# Altium PCB AMC_Single_Panel.PcbDoc (part 1 of 5)
Units mm, origin at the board's own origin, x right, y up, seen from the top; angles counter-clockwise.
Board outline 67.1 x 200.1 mm, 4 copper layers (TOP, GND, PWR, BTM), stack 1.618 mm thick; 416 components, 275 nets, 1519 pads, 733 vias.
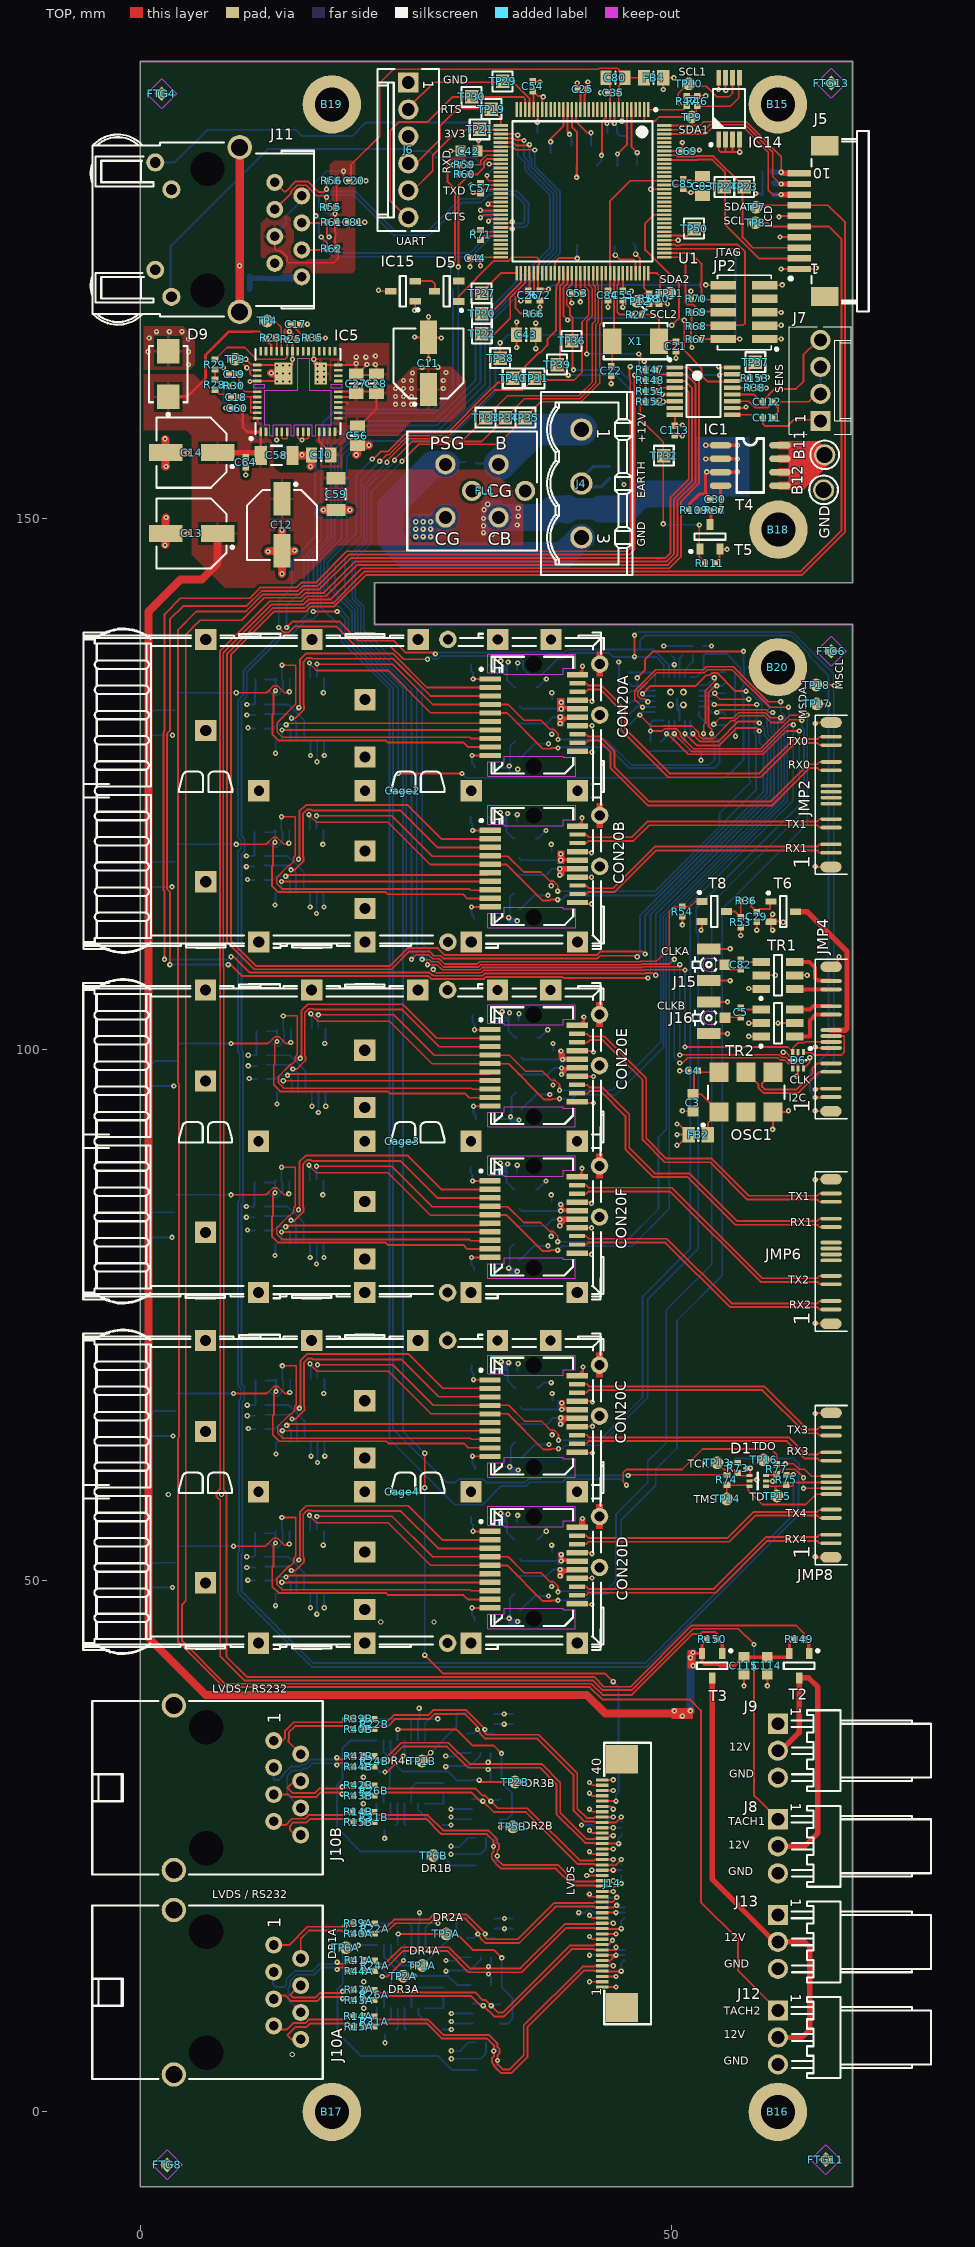
[diagram p0: TOP view]
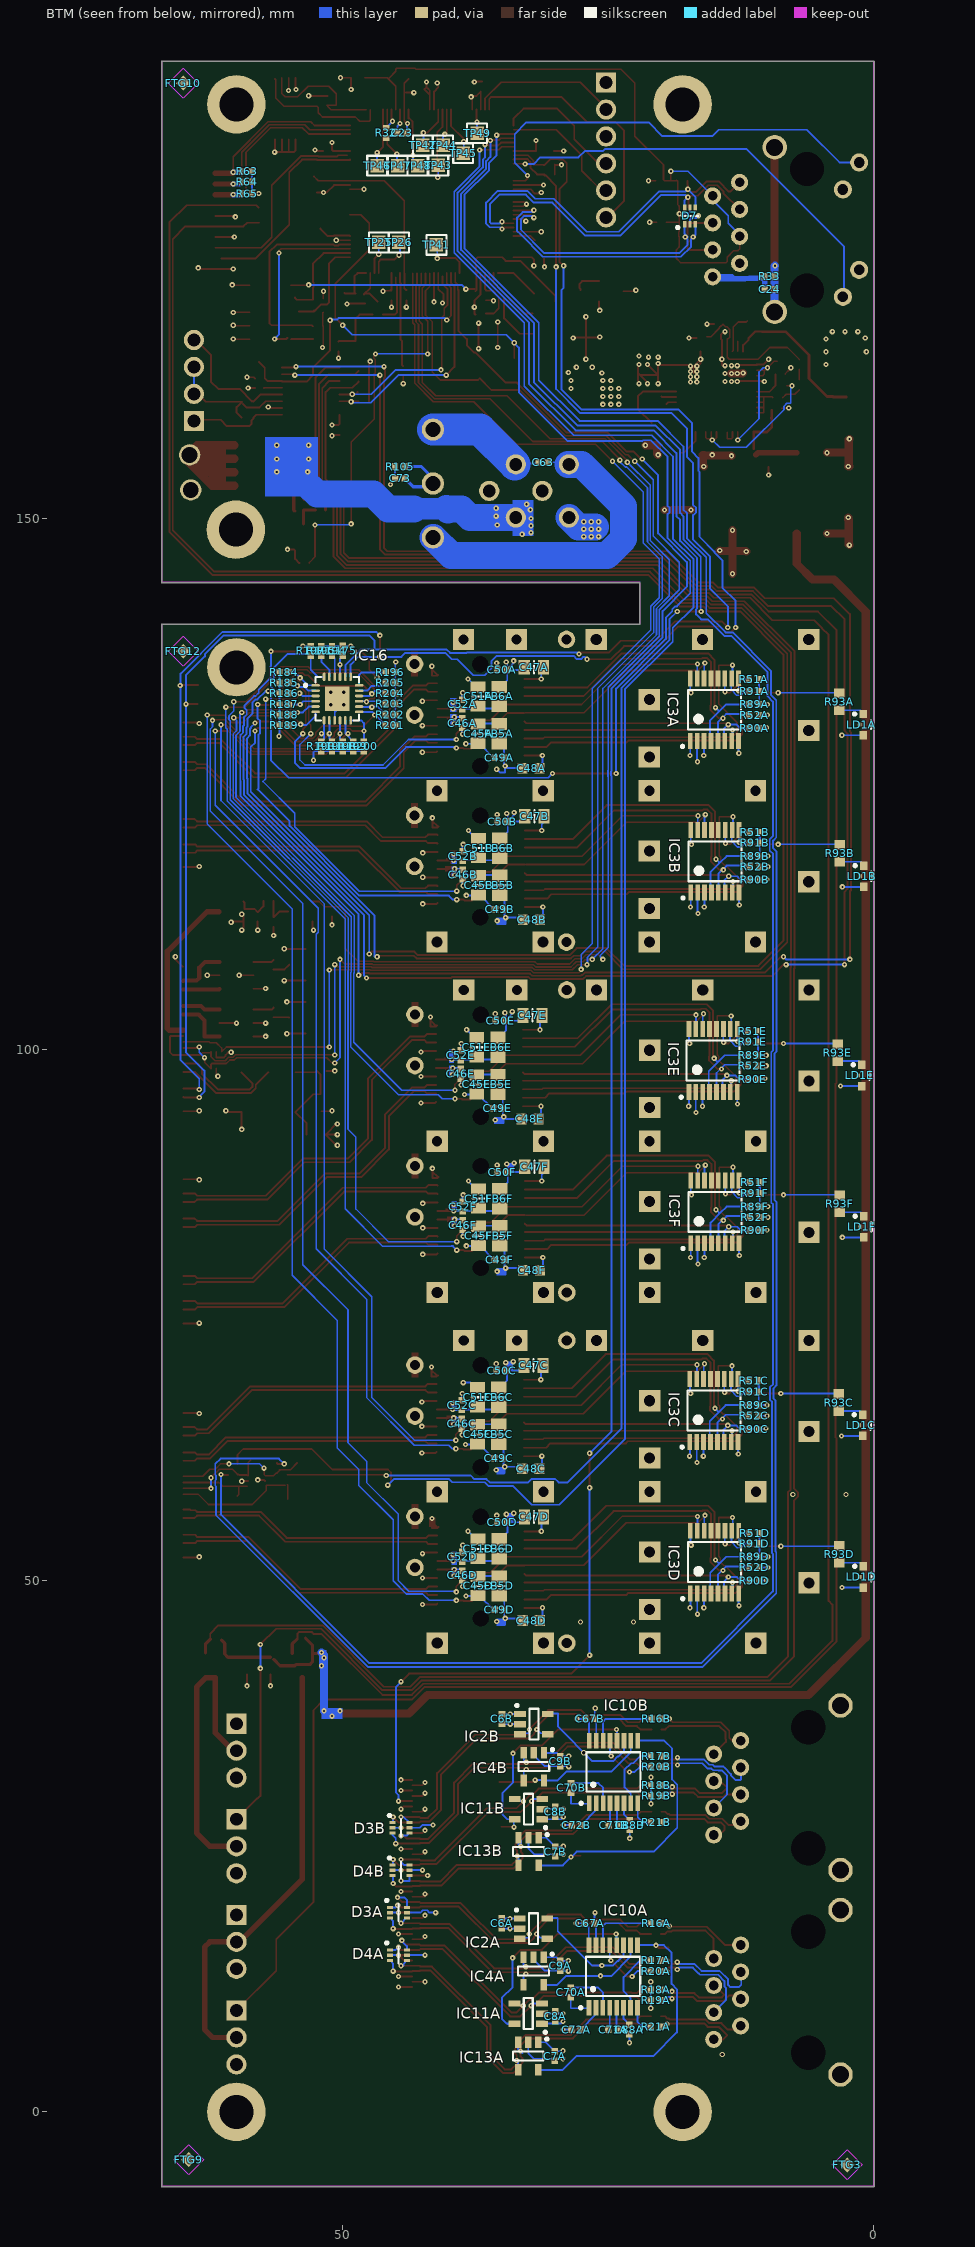
[diagram p1: BTM view, seen from below]
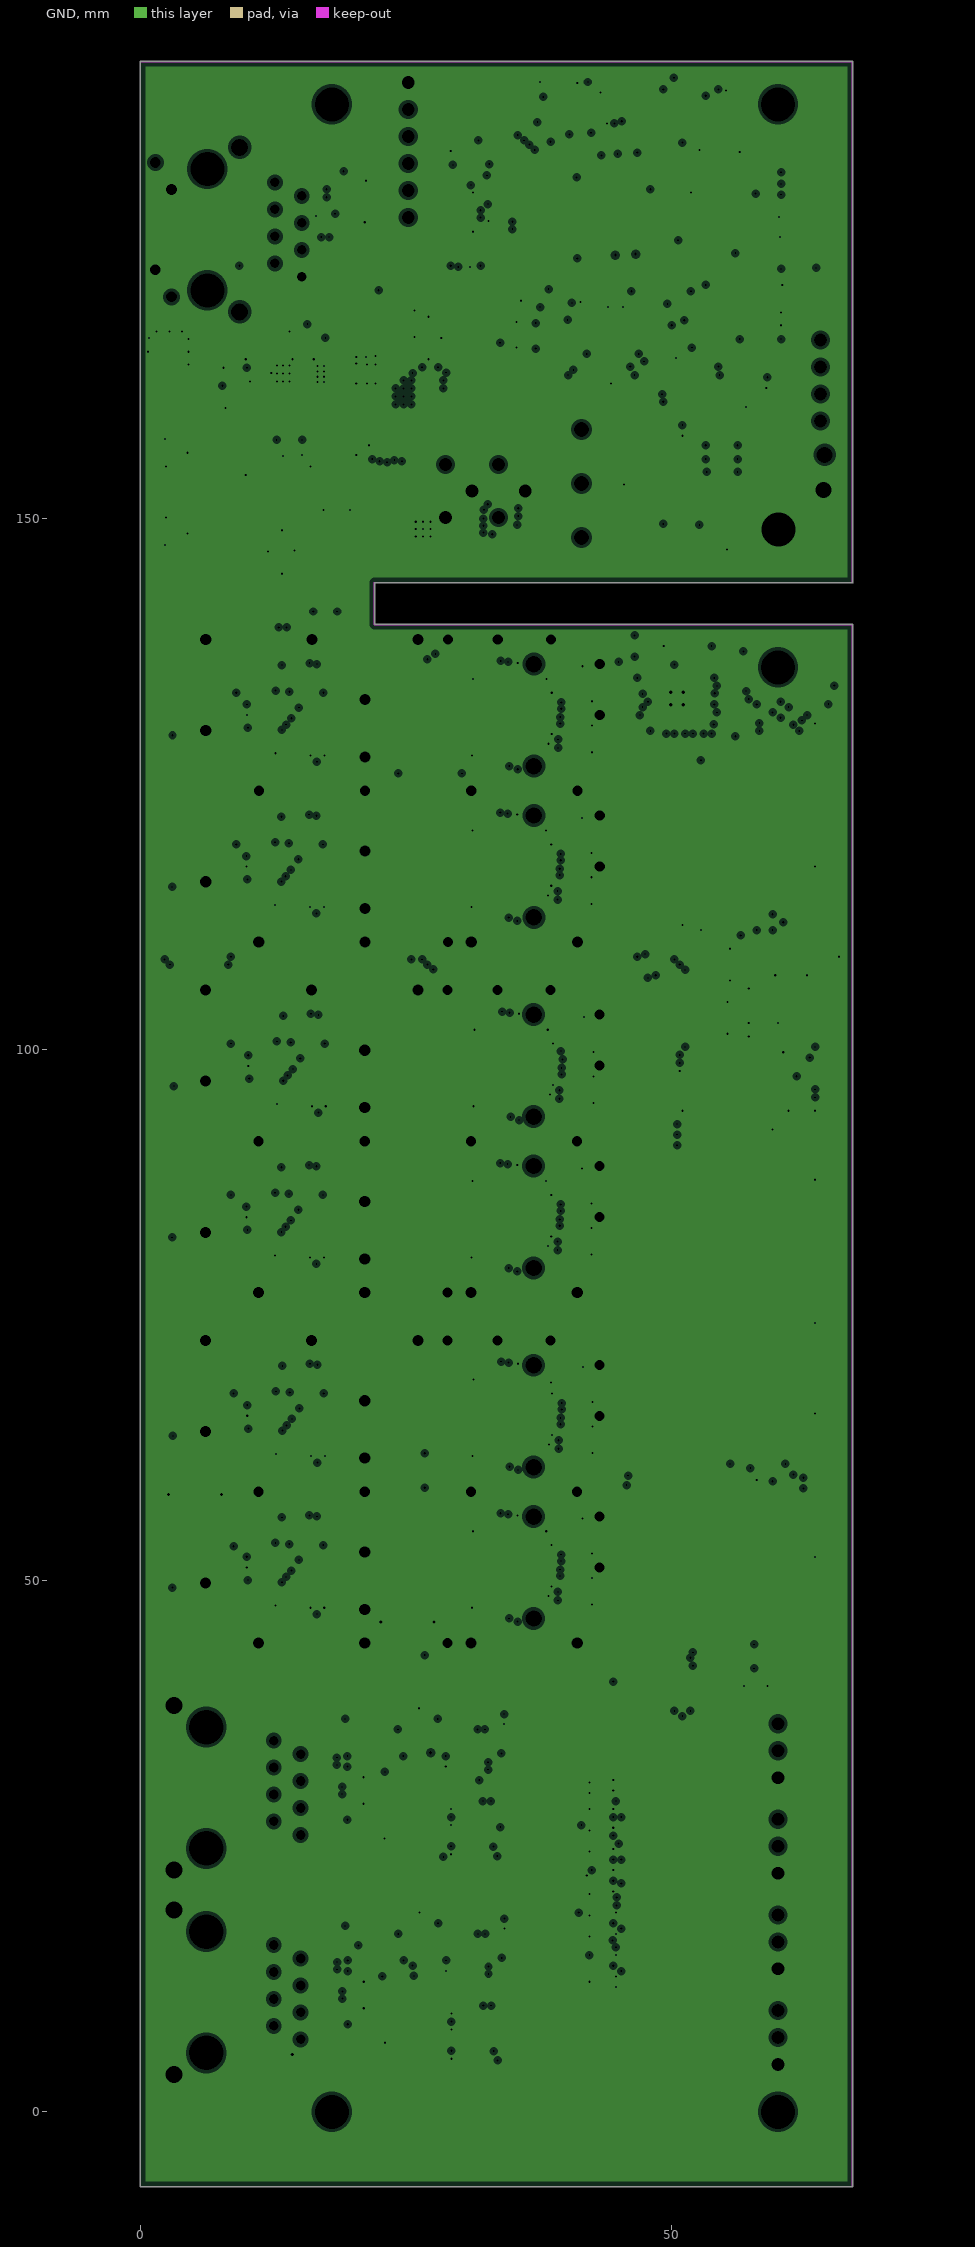
[diagram p2: GND, clearances drawn from the general rule]
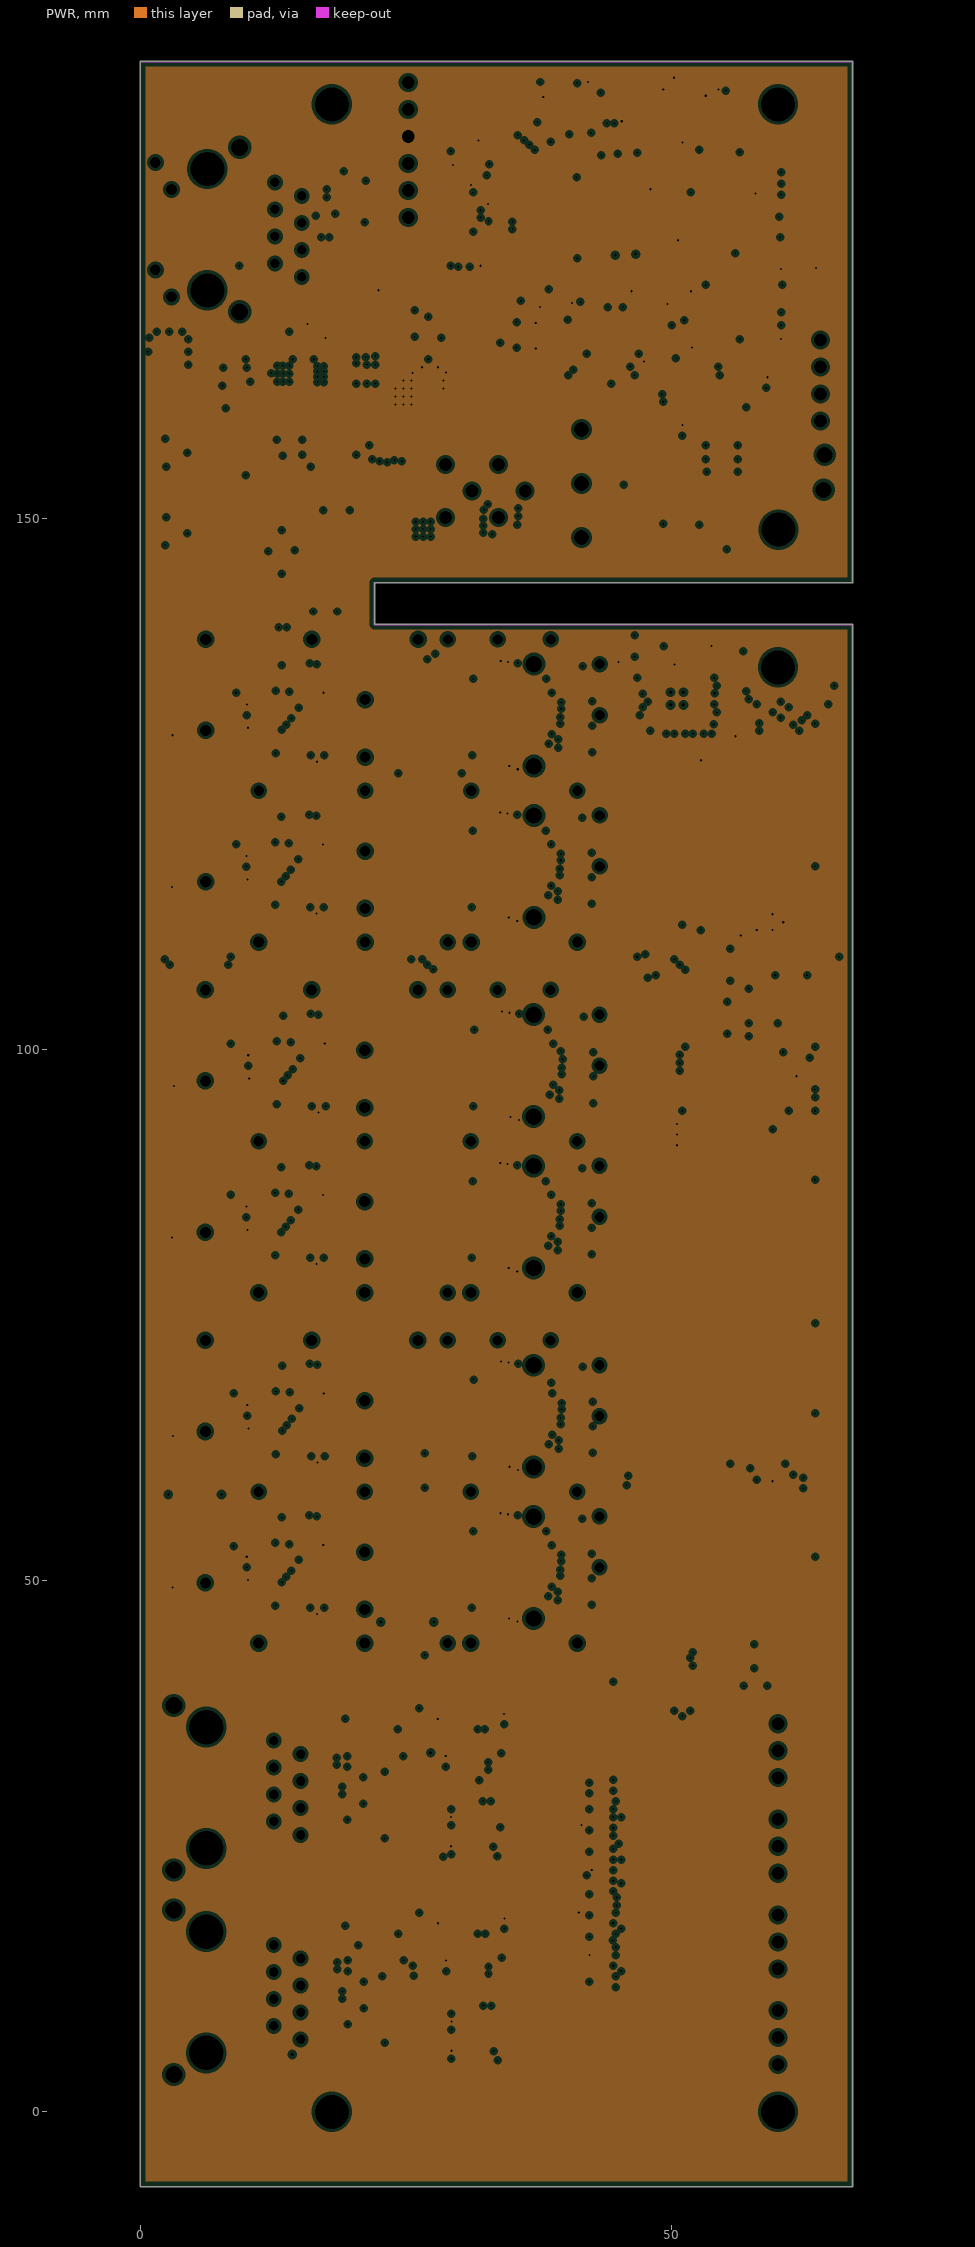
[diagram p3: PWR, clearances drawn from the general rule]
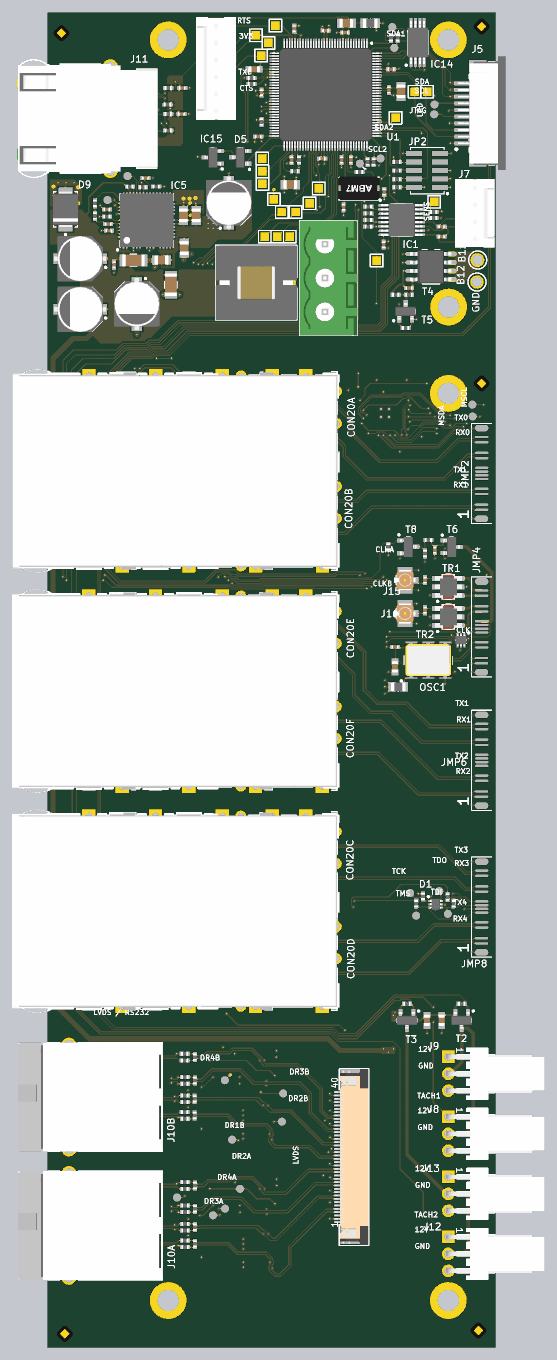
[diagram p8: 3D render of the assembled board from above, using the file's embedded part models]
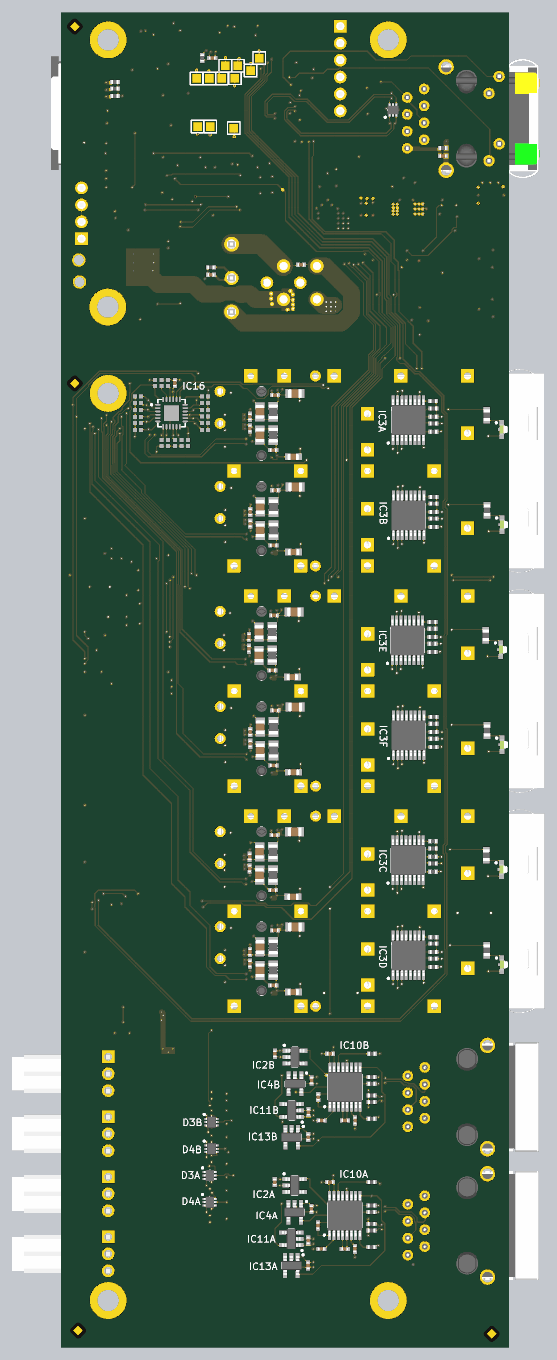
[diagram p9: 3D render of the assembled board from below, using the file's embedded part models]

## Layer stack, top to bottom
Top Solder: solder mask 0.012, Solder Resist, Dk 3.5
TOP: signal copper 0.053
Dielectric1: core 0.18, FR4 IT180-A / S1000-2 0.135mm 18u/18u, Dk 4.5
GND: plane copper 0.036, net GND
Dielectric2: prepreg 1.08, FR-4, Dk 4.5
PWR: plane copper 0.036, net P3V3
Dielectric3: core 0.18, FR4 IT180-A / S1000-2 0.135mm 18u/18u, Dk 4.5
BTM: signal copper 0.053
Bottom Solder: solder mask 0.012, Solder Resist, Dk 3.5

## Board outline
0,-7.05 cw(c0,-7) -0.05,-7 -0.05,193 cw(c0,193) 0,193.05 66.993,193.05 cw(c67.001,193.001) 67.051,193.001 67.051,174 cw(c67.001,174) 67.05,173.989 67.05,144 cw(c66.999,144) 66.999,143.95 22.05,143.95 22.05,140.05 67,140.05 cw(c67,140) 67.05,140 67.05,-6.999 cw(c67,-6.999) 67.036,-7.035 67.035,-7.036 ccw(c66.999,-7) 67.035,-7.035 ccw(c66.999,-7) 67.036,-7.035 cw(c67,-6.999) 67.035,-7.035 cw(c67,-6.999) 67.035,-7.036 cw(c66.999,-7) 66.999,-7.05

## Design rules (kind name [scope] priority, off if disabled: settings)
AcuteAngle [All] p1: minimum=5.00000000000000E+0001 checktracksonly=FALSE
Clearance Pads_v_pads [InPadClass('All pads') vs InPadClass('All pads')] p1: gap=0.025
Clearance poly_vs_impedance [InNetClass('SE') or InNetClass('DE') vs inpoly] p2: gap=0.5
Clearance DE&SE_in_room [(InNetClass('DE') OR InNetClass('SE')) and iswire and (WithinRoom('QSFPA') OR WithinRoom('QSFPB') OR WithinRoom('SFP0_AFC') OR WithinRoom('SFP0_ACC') OR WithinRoom('SFP1_AFC') OR WithinRoom('SFP1_ACC') OR WithinRoom('CLK') OR WithinRoom('ETH_CON') OR WithinRoom('IO') OR WithinRoom('USB_UART') OR WithinRoom('U_RPTR_1') OR WithinRoom('U_RPTR_2') OR WithinRoom('U_RPTR_3'))] p3: gap=0.15
Clearance DE_vs_DE [InNetClass('DE') and (IsWire) vs InNetClass('DE') and (IsWire)] p4: gap=0.4
Clearance DE_vs_12V [(InDifferentialPairClass('All Differential Pairs')) vs InNet('P12V')] p5: gap=0.4
Clearance DE_vs_rest [InNetClass('DE') and iswire vs iswire and (not InNetClass('DE'))] p6: gap=0.4
Clearance Clearance_ICs [WithinRoom('CPU') OR WithinRoom('ETH_PHY') vs NOT InPoly] p7: gap=0.12
Clearance SE_vs_rest [InNetClass('SE') and iswire vs iswire or inpoly] p8: gap=0.4
Clearance P12V_Clerance [(InNet('ACC_P12V') or InNet('AFC_P12V') or InNet('P12V'))] p9: gap=0.25
Clearance poly_vs_con [InComponent('CON21') vs inpoly] p10: gap=0.3
Clearance poly_vs_power_poly [InPoly AND (InNet('P3V3') OR InNet('P12V') OR InNet('QSFP_P3V3') OR InNet('SFP_P3V3')) vs InPoly] p11: gap=0.4
Clearance poly_vs_rest [All vs inpoly] p12: gap=0.254
Clearance [All] p13: gap=0.12
ComponentClearance [All] p1: gap=0 collisioncheckmode=3 verticalgap=0 showdistances=FALSE
DiffPairsRouting [All] p1: maxlimit=0.203 minlimit=0.178 mostfreqgap=0.178 toplayer_minwidth=0.178 toplayer_maxwidth=0.178 toplayer_prefwidth=0.178 bottomlayer_minwidth=0.178 bottomlayer_maxwidth=0.178 bottomlayer_prefwidth=0.178 maxuncoupledlength=12.7
Height [All] p1: minheight=0 maxheight=30 prefheight=25.4
HoleSize [All] p1: absolutevalues=TRUE maxlimit=10 minlimit=0.3 maxpercent=80.000 minpercent=20.000
HoleToHoleClearance [All] p1: gap=0.2 allowstackedmicrovias=FALSE
MinimumAnnularRing [All] p1: minimumring=0.1
MinimumSolderMaskSliver [All] p1: minsoldermaskwidth=0.051
PlaneClearance V_SE [InNetClass('SE')] p1: clearance=0.3
PlaneClearance V_DE [InNetClass('DE')] p2: clearance=0.31
PlaneClearance REST_Clearance [All] p3: clearance=0.3
PlaneConnect PlaneConnect_pad [InPadClass('All pads')] p1: planeconnectstyle=Relief reliefexpansion=0.2 reliefentries=4 reliefconductorwidth=0.5 reliefairgap=0.2
PlaneConnect [All] p2: planeconnectstyle=Direct reliefexpansion=0.508 reliefentries=4 reliefconductorwidth=0.254 reliefairgap=0.254
PolygonConnect PolygonConnect_Vias [IsVIa] p1: connectstyle=Direct reliefconductorwidth=0.254 reliefentries=4 polygonreliefangle="90 Angle" airgapwidth=0.254
PolygonConnect [All] p2: connectstyle=Relief reliefconductorwidth=0.25 reliefentries=4 polygonreliefangle="90 Angle" airgapwidth=0.254
RoomDefinition U_I2C_SW [InComponentClass('U_I2C_SW')] p1: confinementstyle=ConfineIn formatcopy=TRUE lockcomponents=FALSE outline 57,126.55 44.5,126.55 44.5,139.55 57,139.55
RoomDefinition Thermal_MGT [InComponentClass('Thermal_MGT')] p2: confinementstyle=ConfineIn formatcopy=TRUE lockcomponents=FALSE outline 46.5,143.5 66.5,143.5 66.5,166.5 46.5,166.5
RoomDefinition U_IO2 [InComponentClass('U_IO2')] p3: confinementstyle=ConfineIn formatcopy=TRUE lockcomponents=FALSE outline -5.75,22.34 41.5,22.34 41.5,38.68 -5.75,38.68
RoomDefinition U_IO1 [InComponentClass('U_IO1')] p4: confinementstyle=ConfineIn formatcopy=TRUE lockcomponents=FALSE outline -5.72,3.09 41.53,3.09 41.53,19.43 -5.72,19.43
RoomDefinition U_LCD [InComponentClass('U_LCD')] p5: confinementstyle=ConfineIn formatcopy=TRUE lockcomponents=FALSE outline 51.5,174 65,174 65,193 51.5,193
RoomDefinition AMC_BOX_Panel [InComponentClass('AMC_BOX_Panel')] p6: confinementstyle=ConfineIn formatcopy=TRUE lockcomponents=FALSE outline 48,-5.5 64.5,-5.5 64.5,0 48,0
RoomDefinition U_SFP6 [InComponentClass('U_SFP6')] p7: confinementstyle=ConfineIn formatcopy=TRUE lockcomponents=FALSE outline -5.445,92 43.575,92 43.575,77.101 -5.445,77.101
RoomDefinition U_SFP5 [InComponentClass('U_SFP5')] p8: confinementstyle=ConfineIn formatcopy=TRUE lockcomponents=FALSE outline -5.27,106.25 43.75,106.25 43.75,91.351 -5.27,91.351
RoomDefinition U_SFP4 [InComponentClass('U_SFP4')] p9: confinementstyle=ConfineIn formatcopy=TRUE lockcomponents=FALSE outline -5.408,59.03 43.612,59.03 43.612,44.131 -5.408,44.131
RoomDefinition U_SFP3 [InComponentClass('U_SFP3')] p10: confinementstyle=ConfineIn formatcopy=TRUE lockcomponents=FALSE outline -5.357,73.304 43.663,73.304 43.663,58.405 -5.357,58.405
RoomDefinition U_CPU [InComponentClass('U_CPU')] p11: confinementstyle=ConfineIn formatcopy=TRUE lockcomponents=FALSE outline 33.5,193 61.5,193 61.5,163 33.5,163
RoomDefinition U_clocking [InComponentClass('U_clocking')] p12: confinementstyle=ConfineIn formatcopy=TRUE lockcomponents=FALSE outline 50.5,114.5 69,114.5 69,90.5 50.5,90.5
RoomDefinition U_SFP2 [InComponentClass('U_SFP2')] p13: confinementstyle=ConfineIn formatcopy=TRUE lockcomponents=FALSE outline -5.445,125 43.575,125 43.575,110.101 -5.445,110.101
RoomDefinition U_Supply [InComponentClass('U_Supply')] p14: confinementstyle=ConfineIn formatcopy=TRUE lockcomponents=FALSE outline -1,167.5 36.5,167.5 36.5,193 -1,193
RoomDefinition U_SFP1 [InComponentClass('U_SFP1')] p15: confinementstyle=ConfineIn formatcopy=TRUE lockcomponents=FALSE outline -5.4,139.274 43.62,139.274 43.62,124.375 -5.4,124.375
RoutingVias [All] p1: holewidth=0.3 width=0.5 viastyle="Through Hole" minholewidth=0.3 minwidth=0.5 maxholewidth=2 maxwidth=2
SilkToSilkClearance [All] p1: silktosilkclearance=0.025
SilkToSolderMaskClearance SilkscreenOverComponentPads [IsPad] p1: minsilkscreentomaskgap=0.025 clearancetoexposedcopper=TRUE
SolderMaskExpansion [All] p1: expansion=0.051
ViasUnderSMD [All] p1: allowed=FALSE
Width POWER_WIDTH [InNetClass('POWER')] p1: maxlimit=10 minlimit=0.2 preferedwidth=0.2 minimp=50.000000 maximp=50.000000 favimp=50.000000
Width SE [InNetClass('SE')] p2: maxlimit=0.13 minlimit=0.13 preferedwidth=0.13 minimp=50.000000 maximp=50.000000 favimp=50.000000
Width DE100 [(InDifferentialPairClass('All Differential Pairs'))] p3: maxlimit=0.11 minlimit=0.11 preferedwidth=0.11 minimp=50.000000 maximp=50.000000 favimp=50.000000
Width [All] p4: maxlimit=10 minlimit=0.152 preferedwidth=0.2
20 further rules are at their usual default settings.

## Classes and differential pairs
channel class IO: U_IO1 U_IO2
component class U_IO1: C6A C7A C8A C9A C67A C70A C71A C72A C88A D3A D4A IC2A IC4A IC10A IC11A IC13A J10A R14A R15A R16A R17A R18A R19A R20A R21A R22A R24A R26A R31A R39A R40A R41A R42A R43A R44A TP1A TP2A TP5A TP6A
component class U_LCD: J5 TP7 TP8
component class U_SFP6: C45F C46F C47F C48F C49F C50F C51F C52F CON20F FB5F FB6F IC3F LD1F R51F R52F R89F R90F R91F R93F
component class U_SFP5: C45E C46E C47E C48E C49E C50E C51E C52E CON20E FB5E FB6E IC3E LD1E R51E R52E R89E R90E R91E R93E
component class U_SFP4: C45D C46D C47D C48D C49D C50D C51D C52D CON20D FB5D FB6D IC3D LD1D R51D R52D R89D R90D R91D R93D
component class U_SFP3: C45C C46C C47C C48C C49C C50C C51C C52C CON20C FB5C FB6C IC3C LD1C R51C R52C R89C R90C R91C R93C
component class U_I2C_SW: C175 IC16 R184 R185 R186 R187 R188 R189 R190 R191 R194 R195 R196 R197 R198 R199 R200 R201 R202 R203 R204 R205
net class I2C: I2CA.SCL I2CA.SDA I2CB.SCL I2CB.SDA I2CC.SCL I2CC.SDA I2CD.SCL I2CD.SDA I2CE.SCL I2CE.SDA I2CF.SCL I2CF.SDA I2CG.SCL I2CG.SDA I2CH.SCL I2CH.SDA MSCL_L MSDA_L
component class U_IO2: C6B C7B C8B C9B C67B C70B C71B C72B C88B D3B D4B IC2B IC4B IC10B IC11B IC13B J10B R14B R15B R16B R17B R18B R19B R20B R21B R22B R24B R26B R31B R39B R40B R41B R42B R43B R44B TP1B TP2B TP5B TP6B
component class U_CPU: C20 C21 C22 C23 C24 C25 C26 C35 C42 C43 C44 C53 C54 C55 C57 C69 C80 C81 C83 C84 C85 D1 D5 D6 D7 D8 FB4 IC14 IC15 J6 J11 JP2 R27 R32 R33 R46 R47 R50 R55 R56 R58 R59 R60 R61 R62 R63 R64 R65 R66 R67 R68 R69 R70 R71 R72 R73 R74 R75 R77 TP9 TP10 TP11 TP12 TP13 TP14 TP15 TP16 TP17 TP18 TP19 TP20 TP21 TP22 TP23 TP24 TP25 TP26 TP27 TP29 TP30 TP31 TP32 TP33 TP34 TP35 TP36 TP37 TP38 TP39 TP40 TP41 TP42 TP43 TP44 TP45 TP46 TP47 TP48 TP49 TP50 U1 X1
component class U_SFP1: C45A C46A C47A C48A C49A C50A C51A C52A CON20A FB5A FB6A IC3A LD1A R51A R52A R89A R90A R91A R93A
component class U_clocking: C3 C4 C5 C82 FB2 J2 J15 J16 J? OSC1 TR1 TR2
component class AMC_BOX_Panel: B1 B11 B12 B? Cage2 Cage3 Cage4 CON12 CON28 FTG3 FTG4 FTG6 FTG8 FTG9 FTG10 FTG11 FTG12 FTG13 J14 JMP2 JMP4 JMP6 JMP8
net class SFP: QSFP_RX1_N QSFP_RX1_P QSFP_RX2_N QSFP_RX2_P QSFP_RX3_N QSFP_RX3_P QSFP_RX4_N QSFP_RX4_P QSFP_TX1_N QSFP_TX1_P QSFP_TX2_N QSFP_TX2_P QSFP_TX3_N QSFP_TX3_P QSFP_TX4_N QSFP_TX4_P RXA_N RXA_P RXB_N RXB_P SFP1_TX0_N SFP1_TX0_P SFP2_TX1_N SFP2_TX1_P
channel class SFP: U_SFP1 U_SFP2 U_SFP3 U_SFP4 U_SFP5 U_SFP6
component class U_SFP2: C45B C46B C47B C48B C49B C50B C51B C52B CON20B FB5B FB6B IC3B LD1B R51B R52B R89B R90B R91B R93B
net class AMC_CTRL: EN_AMC_MP EN_AMC_PWR
net class POWER: 12VE AMC_MP AMC_PWR P3V3 P12V P12V_1 P12V_2 SFP_VCCRA SFP_VCCRB SFP_VCCRC SFP_VCCRD SFP_VCCRE SFP_VCCRF SFP_VCCTA SFP_VCCTB SFP_VCCTC SFP_VCCTD SFP_VCCTE SFP_VCCTF
component class U_Supply: B15 B16 B17 B18 B19 B20 C1 C2 C10 C11 C12 C13 C14 C17 C18 C19 C27 C28 C29 C30 C56 C58 C59 C60 C63 C64 C73 D9 FL1 IC5 J4 R1 R23 R25 R28 R29 R30 R35 R36 R37 R53 R54 R105 R109 R111 T4 T5 T6 T8 TP3 TP4
net class DE: BA4_CLK_N QSFP_RX1_N QSFP_RX1_P QSFP_RX2_N QSFP_RX2_P QSFP_RX3_N QSFP_RX3_P QSFP_RX4_N QSFP_RX4_P QSFP_TX1_N QSFP_TX1_P QSFP_TX2_N QSFP_TX2_P QSFP_TX3_N QSFP_TX3_P QSFP_TX4_N QSFP_TX4_P RXA_N RXA_P RXB_N RXB_P SFP1_TX0_N SFP1_TX0_P SFP2_TX1_N SFP2_TX1_P
component class Thermal_MGT: C111 C112 C113 C114 C115 IC1 J7 J8 J9 J12 J13 R38 R147 R148 R149 R150 R152 R153 R154 T2 T3
net class FAN: DXN DXP1 DXP2 FANN OVERN PWM1 PWM2 TACH1 TACH2 THERMN
net class SW[2..0]: SW0 SW1 SW2
differential pair LVDS3CB: +LVDS3CB_P -LVDS3CB_N
differential pair LVDS3CA: +LVDS3CA_P -LVDS3CA_N
differential pair LVDS2CB: +LVDS2CB_P -LVDS2CB_N
differential pair LVDS2CA: +LVDS2CA_P -LVDS2CA_N
differential pair LVDS1CB: +LVDS1CB_P -LVDS1CB_N
differential pair LVDS1CA: +LVDS1CA_P -LVDS1CA_N
differential pair LVDS0CB: +LVDS0CB_P -LVDS0CB_N
differential pair LVDS0CA: +LVDS0CA_P -LVDS0CA_N
differential pair LVDS3A: +LVDS3A_P -LVDS3A_N
differential pair LVDS2A: +LVDS2A_P -LVDS2A_N
differential pair LVDS1A: +LVDS1A_P -LVDS1A_N
differential pair LVDS0A: +LVDS0A_P -LVDS0A_N
differential pair LVDS3: +LVDS3_P -LVDS3_N
differential pair LVDS2: +LVDS2_P -LVDS2_N
differential pair LVDS1: +LVDS1_P -LVDS1_N
differential pair LVDS0: +LVDS0_P -LVDS0_N
differential pair QSFP_TX4: +QSFP_TX4_P -QSFP_TX4_N
differential pair QSFP_TX3: +QSFP_TX3_P -QSFP_TX3_N
differential pair QSFP_TX2: +QSFP_TX2_P -QSFP_TX2_N
differential pair QSFP_TX1: +QSFP_TX1_P -QSFP_TX1_N
differential pair QSFP_RX4: +QSFP_RX4_P -QSFP_RX4_N
differential pair QSFP_RX3: +QSFP_RX3_P -QSFP_RX3_N
differential pair QSFP_RX2: +QSFP_RX2_P -QSFP_RX2_N
differential pair QSFP_RX1: +QSFP_RX1_P -QSFP_RX1_N
differential pair RXB: +RXB_P -RXB_N
differential pair RXA: +RXA_P -RXA_N
differential pair SMA_CLKB: +SMA_CLKB_P -SMA_CLKB_N
differential pair SMA_CLKA: +SMA_CLKA_P -SMA_CLKA_N
differential pair SFP2_TX1: +SFP2_TX1_P -SFP2_TX1_N
differential pair SFP1_TX0: +SFP1_TX0_P -SFP1_TX0_N
differential pair PHY_RD: +PHY_RD_P -PHY_RD_N
differential pair PHY_TD: +PHY_TD_P -PHY_TD_N
